# Altium PCB Back.PcbDoc
Units mil, origin at the board's own origin, x right, y up, seen from the top; angles counter-clockwise.
Board outline 1773 x 1227 mil, 2 copper layers (Top Layer, Bottom Layer); 13 components, 2 nets, 28 pads, 4 vias.
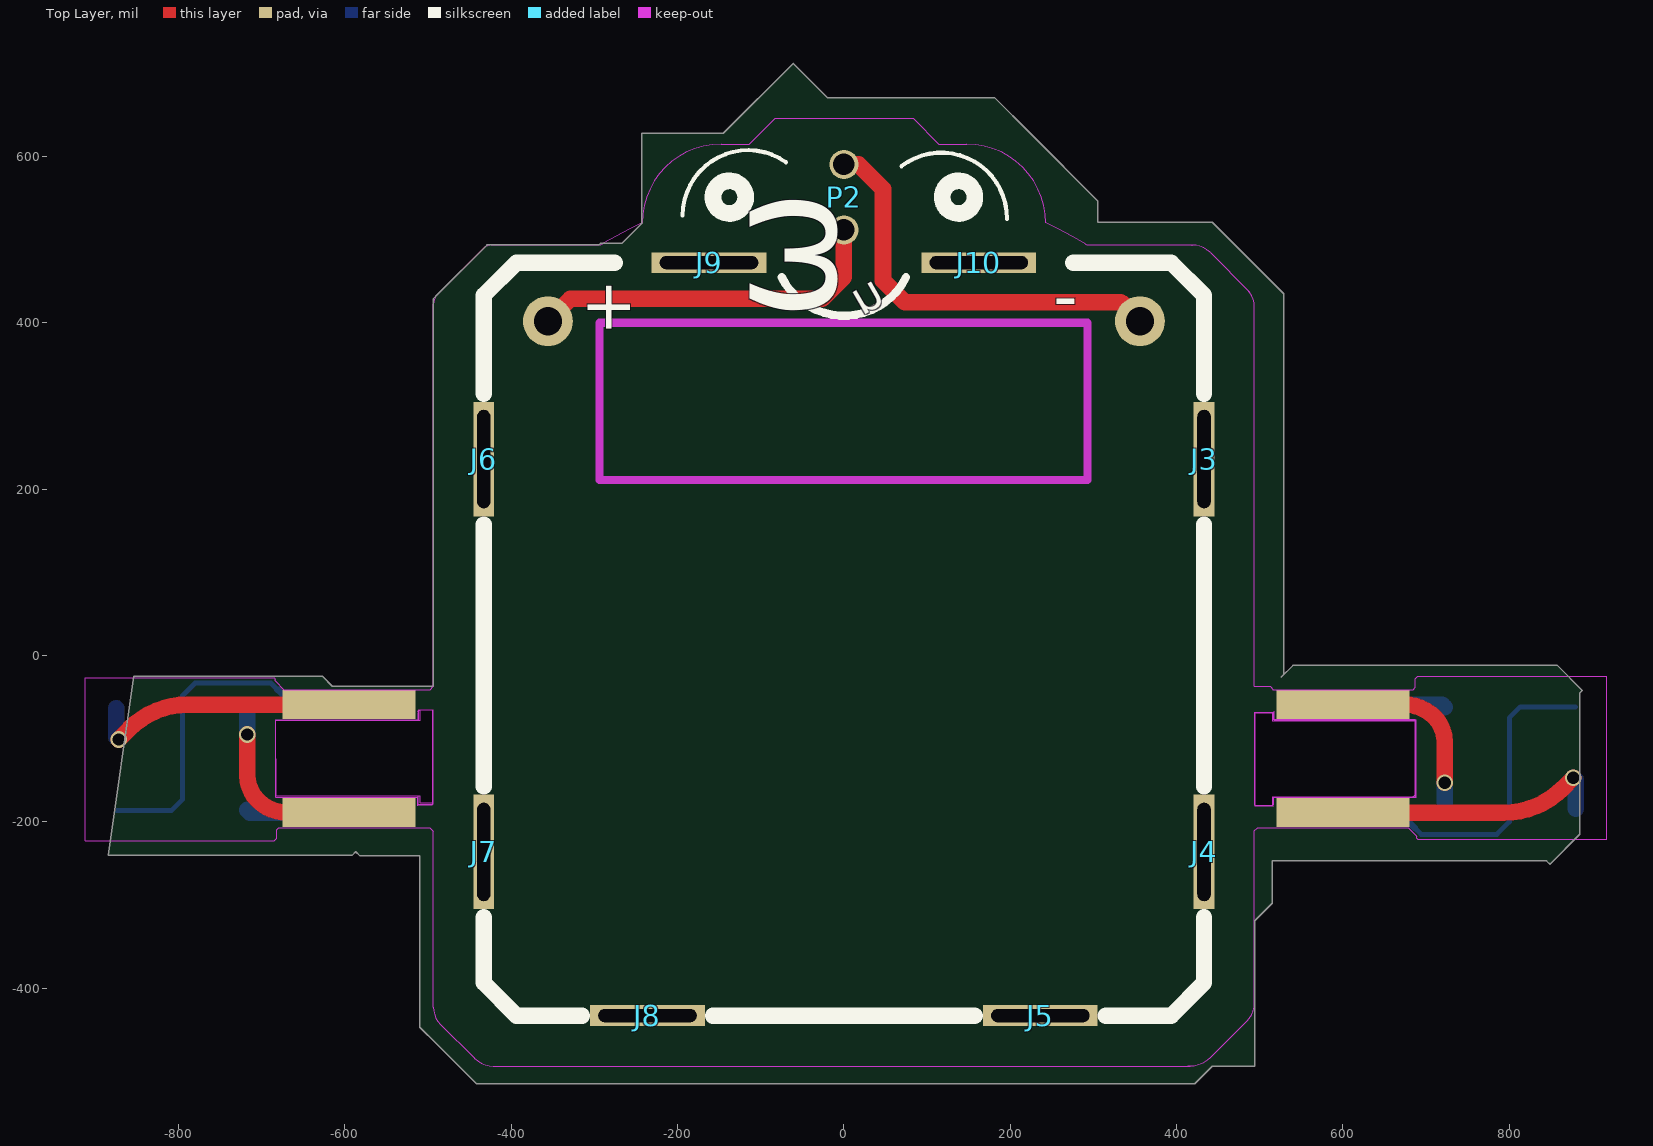
[diagram p0: Top Layer view]
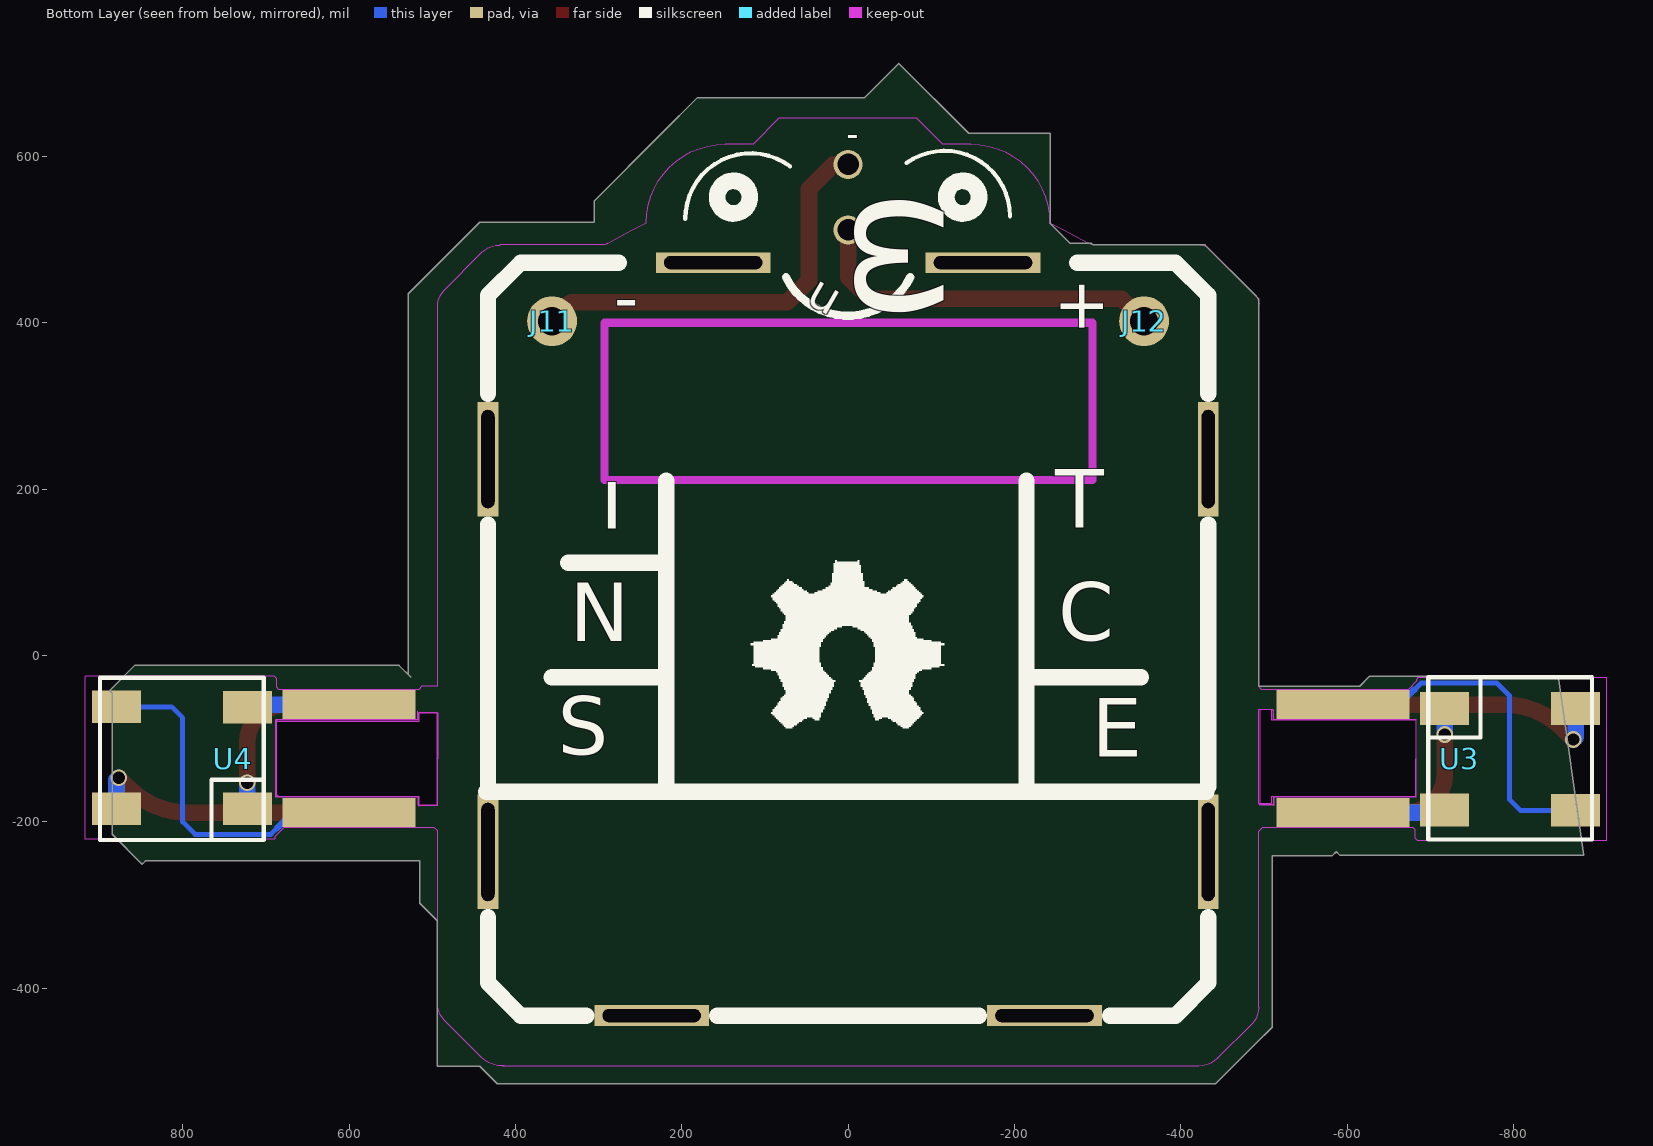
[diagram p1: Bottom Layer view, seen from below]

## Layer stack, top to bottom
Top Solder: solder mask 0.4, Solder Resist, Dk 3.5
Top Layer: signal copper 1.4
Dielectric 1: dielectric 12.6, FR-4, Dk 4.8
Bottom Layer: signal copper 1.4
Bottom Solder: solder mask 0.4, Solder Resist, Dk 3.5

## Board outline
-854.13,-25.06 -627.19,-25.06 -615.25,-37.01 -615.25,-37.07 -494.07,-37.07 -493.7,-36.7 -493.71,-36.69 -493.71,422.63 -493.71,429.29 -489,434 -429.3,493.7 -424.07,493.7 -294.6,493.7 -294.58,493.68 -292.48,495.78 -289.21,495.78 -267.02,495.78 -242.58,520.22 -243,520.64 -243,628 -145,628 -61,712 -20,671 159,671 181,671 224,628 305,547 305,521 443,521 470,494 529,435 529,428 529,-23 526,-26 540,-12 650,-12 858,-12 888,-42 885,-45 885,-210 885,-215 849,-251 845,-247 515,-247 515,-298 512,-301 494,-319 494,-494 443,-494 422,-515 346,-515 -442,-515 -490,-467 -510,-447 -510,-241 -582,-241 -587,-236 -591,-240 -885,-240
cut-out: 493.85,-69.35 493.85,-180.35 515.65,-180.35 516.35,-181.05 516.35,-170 684.2,-170 687,-167.2 687,-77.3 516.25,-77.3 516.25,-68.95
cut-out: -683.53,-78 -511.5,-78 -511.5,-65.3 -495.15,-65.3 -494.85,-177.4 -509,-177.4 -509.4,-177 -509.4,-169 -682.48,-169

## Design rules (kind name [scope] priority, off if disabled: settings)
Clearance [All] p1: gap=10
PolygonConnect [All] p1: connectstyle=Relief reliefconductorwidth=10 reliefentries=4 polygonreliefangle="90 Angle" airgapwidth=10
RoutingVias [All] p1: holewidth=28 width=50 viastyle="Through Hole" minholewidth=14 minwidth=20 maxholewidth=28 maxwidth=50
ShortCircuit [All vs HasFootprint('TI_ANT')] p1: allowed=FALSE
SolderMaskExpansion [All] p1: expansion=4
Width [All] p1: maxlimit=100 minlimit=1 preferedwidth=10
29 further rules are at their usual default settings.

## Components (designator, comment, footprint, x,y, rotation, side; value= is the part's Value field where it differs from the comment)
J3 "-" PADL#1 417.01,265.63 r90 top
J4 "-" PADL#2 432.14,-274.7 r90 top
J5 "-" PADL#3 202.09,-445.72 r180 top
J6 "-" PADL#4 -436.77,262.73 r90 top
J7 "-" PADL#5 -433.08,-236.22 r90 top
J8 "-" PADL#6 -204.79,-438.92 r180 top
J9 "-" PADL#7 -162.8,482.24 r180 top
J10 "-" PADL#8 160,480.52 r180 top
J11 "-" PIN#1 353,412 r180 bottom
J12 "+" PIN#2 -356,402 r90 bottom
P2 "Header 2" HEAD2.0 0,551.18 r90 top
U3 "RGB50" EYE-BLOCK -750,-124 r0 bottom
U4 "RGB50" EYE-BLOCK 755,-124 r180 bottom

## Footprints (in the part's own frame and the unit in brackets; to place one, negate y for a bottom-side part, rotate by r counter-clockwise, add the part's x,y. Pads: shape width x height; smd on the part's side, far side on the other; paste and mask are expansions set on the pad)
EYE-BLOCK [mil]
  rect 59.06x39.37 smd: 1(-124.56,62.24) 2(-124.87,-60.24) 3(32.61,-60.24) 4(32.61,61.81)
  rect 160x35 smd: 1(154.87,-65) 4(154.87,65)
  rect 160x35 smd far side: 2(154.87,-65) 3(154.87,65)
  Top Layer lines w6: -125.13,-20 -122.13,-23 ; -124.56,62.24 -58.37,62.24 -45.13,49 -45.13,-76 -30.13,-91 60.87,-91 68.87,-83
  Top Layer lines w8: 68.87,-83 69.1,-83 82.5,-69.6
  Top Layer lines w20: -124.87,-60.24 -124.87,-25.74 -122.13,-23 ; 32.61,61.81 35.8,65 96.87,65 ; 32.61,-29 32.61,-60.24
  Bottom Layer lines w20: -122.13,-23 -109.42,-35.71 ccw(c-38.71,35) -38.71,-65 96.87,-65 ; 32.61,-29 32.61,20.4 cw(c74.47,20.4) 44.87,50 cw(c81.08,13.79) 44.88,50.01 cw(c81.08,13.79) 81.08,65 96.87,65
  Keep-Out Layer lines w1: 237.6,-83.1 76.6,-83.1 66.3,-93.4 66.3,-95.6 64.9,-97 -162.13,-97 -162.13,98.94 -154.13,98.94 60.66,98.94 64.74,98.94 67.75,95.93 67.75,85.55 70.3,83 76.58,83 239.2,83 ; 237.7,56.7 237.7,46.7 67,46.7 67,-46.7 238.1,-46.7 238.1,-55.4
  silkscreen extent -145,-98 52,97, body extent -152,-97 60,99, height 67
HEAD2.0 [mil] "Connector; Header; 2 Position"
  round 35 hole 26: 1(-39.37,0) 2(39.37,0)
  body extent -75,-41 82,37, height 326
PADL#1 [mm]
  rect 3.5x0.635 hole 0.4 slot 3 at 0 deg: 1(-0.747,-0.408)
PADL#2 [mm]
  rect 3.5x0.635 hole 0.4 slot 3 at 0 deg: 1(0.977,-0.024)
PADL#3 [mm]
  rect 3.5x0.635 hole 0.4 slot 3 at 0 deg: 1(-0.867,-0.321)
PADL#4 [mm]
  rect 3.5x0.635 hole 0.4 slot 3 at 0 deg: 1(-0.673,-0.094)
PADL#5 [mm]
  rect 3.5x0.635 hole 0.4 slot 3 at 0 deg: 1(0,0)
PADL#6 [mm]
  rect 3.5x0.635 hole 0.4 slot 3 at 0 deg: 1(0.798,-0.149)
PADL#7 [mm]
  rect 3.5x0.635 hole 0.4 slot 3 at 0 deg: 1(-0.015,0.249)
PADL#8 [mm]
  rect 3.5x0.635 hole 0.4 slot 3 at 0 deg: 1(-0.056,0.205)
PIN#1 [mil]
  round 60 hole 34 paste-15.75: 1(-2.98,-9.99)
PIN#2 [mil]
  round 60 hole 34 paste-15.75: 1(0,0)

## Part data
J3 J4 J5 J6 J7 J8 J9 J10 J11 J12: library part Socket, "Socket"
P2: "电池供电跳线帽"

## Via types
v1: diameter 20, hole 15, Top Layer to Bottom Layer, 4 vias

## Nets (pads, with @x,y where several pads share a name; then routed paths per layer and width w, separated by ;. In a path a pad name is that pad's centre, name@x,y a point inside that pad or via, vN(x,y) a via of type N, cw(c..) or ccw(c..) an arc to the next point about the centre after c; other vN are vias at no path point)
NetJ11_1: J11.1 P2.2 | length 498.6
  Top Layer w20: P2.2 17.55,590.55 47,561.1 47,451 73,425 332.99,425 J11.1
NetJ12_1: J12.1 P2.1 | length 434.8
  Top Layer w20: J12.1 -329,429 -26,429 0,455 P2.1
pads on no net: J3.1 J4.1 J5.1 J6.1 J7.1 J8.1 J9.1 J10.1 U3.1 U3.2 U3.3 U3.4 U4.1 U4.2 U4.3 U4.4
copper on no net:
  other v1: 722.39,-153 877.13,-147 -872.13,-101 -717.39,-95

## Keep-outs
Keep-Out Layer:
  pour cut-out: 493.7,-68.8 494,-180.9 515.8,-180.9 515.8,-170 687,-170 687,-79 515.7,-79 515.7,-68.8
  pour cut-out: -683,-78 -509.5,-78 -509.5,-65.3 -494.85,-65.3 -495.16,-179.4 -511.9,-179.4 -511.9,-169 -683,-169
  pour cut-out: 293,400 -294,400 -294,211 293,211
  lines w0.79: -289.22,495.81 cw(c0,0) -242.58,520.22 ; 242.58,520.22 cw(c0,0) 289.18,495.83
  lines w1: -534.26,-207.1 -498.24,-207.1 -493.7,-211.64 -493.7,-422.76 ; -532.71,-41 -497.7,-41 -493.7,-37 -493.7,210.61 -493.7,421.73 -493.71,422.63 cw(c-477.63,422.63) -489,434 -433,490 cw(c-424.07,481.06) -424.07,493.7 -423.3,493.7 -294.58,493.7 ccw(c-294.58,501.6) -289.21,495.78 ; -512.3,-67.3 -510.3,-65.3 -494,-65.3 -494,-153 -494,-177.4 -494,-178.4 -495,-179.4 -511.9,-179.4 ; -493.74,-420.46 -493.74,-422.76 ccw(c-464.72,-422.76) -485.24,-443.28 ; -485.23,-443.27 -444.24,-484.26 ; -444.76,-483.79 -444.26,-484.29 ccw(c-421.54,-461.57) -421.54,-493.7 416.4,-493.7 ; -242.58,520.22 cw(c-147.8,520.22) -147.8,615 -113.69,615 -82.69,646 83.1,646 114.1,615 147.8,615 cw(c147.8,520.22) 242.58,520.22 ; 294.26,493.7 418.64,493.7 ; 299.74,493.74 294.26,493.74 cw(c294.26,500.91) 289.19,495.84 ; 413.39,-493.61 415.14,-493.61 ccw(c415.14,-455.58) 442.03,-482.47 ; 418.16,493.64 418.64,493.64 cw(c418.64,463.08) 440.25,484.69 ; 439.9,-484.41 486.39,-437.92 ; 440.28,484.72 487.48,437.52 ; 483.64,-440.68 484.28,-440.04 ccw(c461.66,-417.42) 493.65,-417.42 ; 485.33,439.66 cw(c465.12,419.45) 493.7,419.45 493.7,417 493.7,400 493.7,195.65 493.7,-37 512.5,-37 516.4,-40.9 ; 493.7,-417.42 493.7,-210.96 497.66,-207 529.25,-207 ; 516.4,-68.6 494.4,-68.6 494,-69 494,-78 494,-180 494.7,-180.7 516.5,-180.7 ; 289.19,495.84 289.19,495.84
  lines w10: -294,211 293,211 293,400 -294,400 -294,211
  text "X挖空" at -990,389 h157.48
  text "XXXXX" at -236,260 h157.48

## Other copper
Top Layer:
  pour cut-out: -294,400 293,400 299,394 299,211 -294,211

## Silkscreen, mask and mechanical layers (free items; w line width, h text height)
Top Overlay:
  circle w20: c-137.8,551.18 r19.68
  circle w20: c137.8,551.18 r19.68
  lines w5: -194,529 cw(c-115.26,529) -69.62,593.16 ; 69.18,588.36 cw(c117.26,526) 195.99,525.07
  lines w10: -74.7,454.78 ccw(c0,492.13) 74.7,454.77
  lines w19.68: -433.07,-314.96 -433.07,-393.7 -393.7,-433.07 -314.96,-433.07 ; -433.07,-157.48 -433.07,157.48 ; -433.07,314.96 -433.07,433.07 -393.7,472.44 -275.59,472.44 ; -157.48,-433.07 157.48,-433.07 ; 275.59,472.44 393.7,472.44 433.07,433.07 433.07,314.96 ; 314.96,-433.07 393.7,-433.07 433.07,-393.7 433.07,-314.96 ; 433.07,-157.48 433.07,157.48
  text "ω" at 35,560 h236.22 r90
  text "+" at -257.03,453.12 h60 r90
  text "-" at 251.99,448.47 h60 r180
  text "u" at 59.06,413.39 h70 r30
Bottom Overlay:
  drawing of 27 lines, arcs and shapes, not listed
  text "-" at -13,635 h30 r180
  text "ω" at 35,560 h240 r90
  text "+" at -256.03,454.12 h60 r90
  text "-" at 251.99,446.47 h60 r180
  text "u" at 59.06,413.39 h70 r30
  text "T" at -249,131 h120
  text "I" at 298,130 h120
  text "C" at -253,-5 h120
  text "N" at 335,-6 h120
  text "S" at 349,-142 h120
  text "E" at -293.28,-144.32 h120
Top Solder:
  text "BAT" at -154.18,-136.62 h120

## Text inside footprints (layer, text, board x,y; h text height)
U3: Keep-Out Layer "X" at -610.13,-114 h30 r270; Keep-Out Layer "X" at -666,-113 h30 r270
U4: Keep-Out Layer "X" at 671,-135 h30 r90; Keep-Out Layer "X" at 615.13,-134 h30 r90